# Allegro board IMC-IO_A-IN_A2.brd (continued)
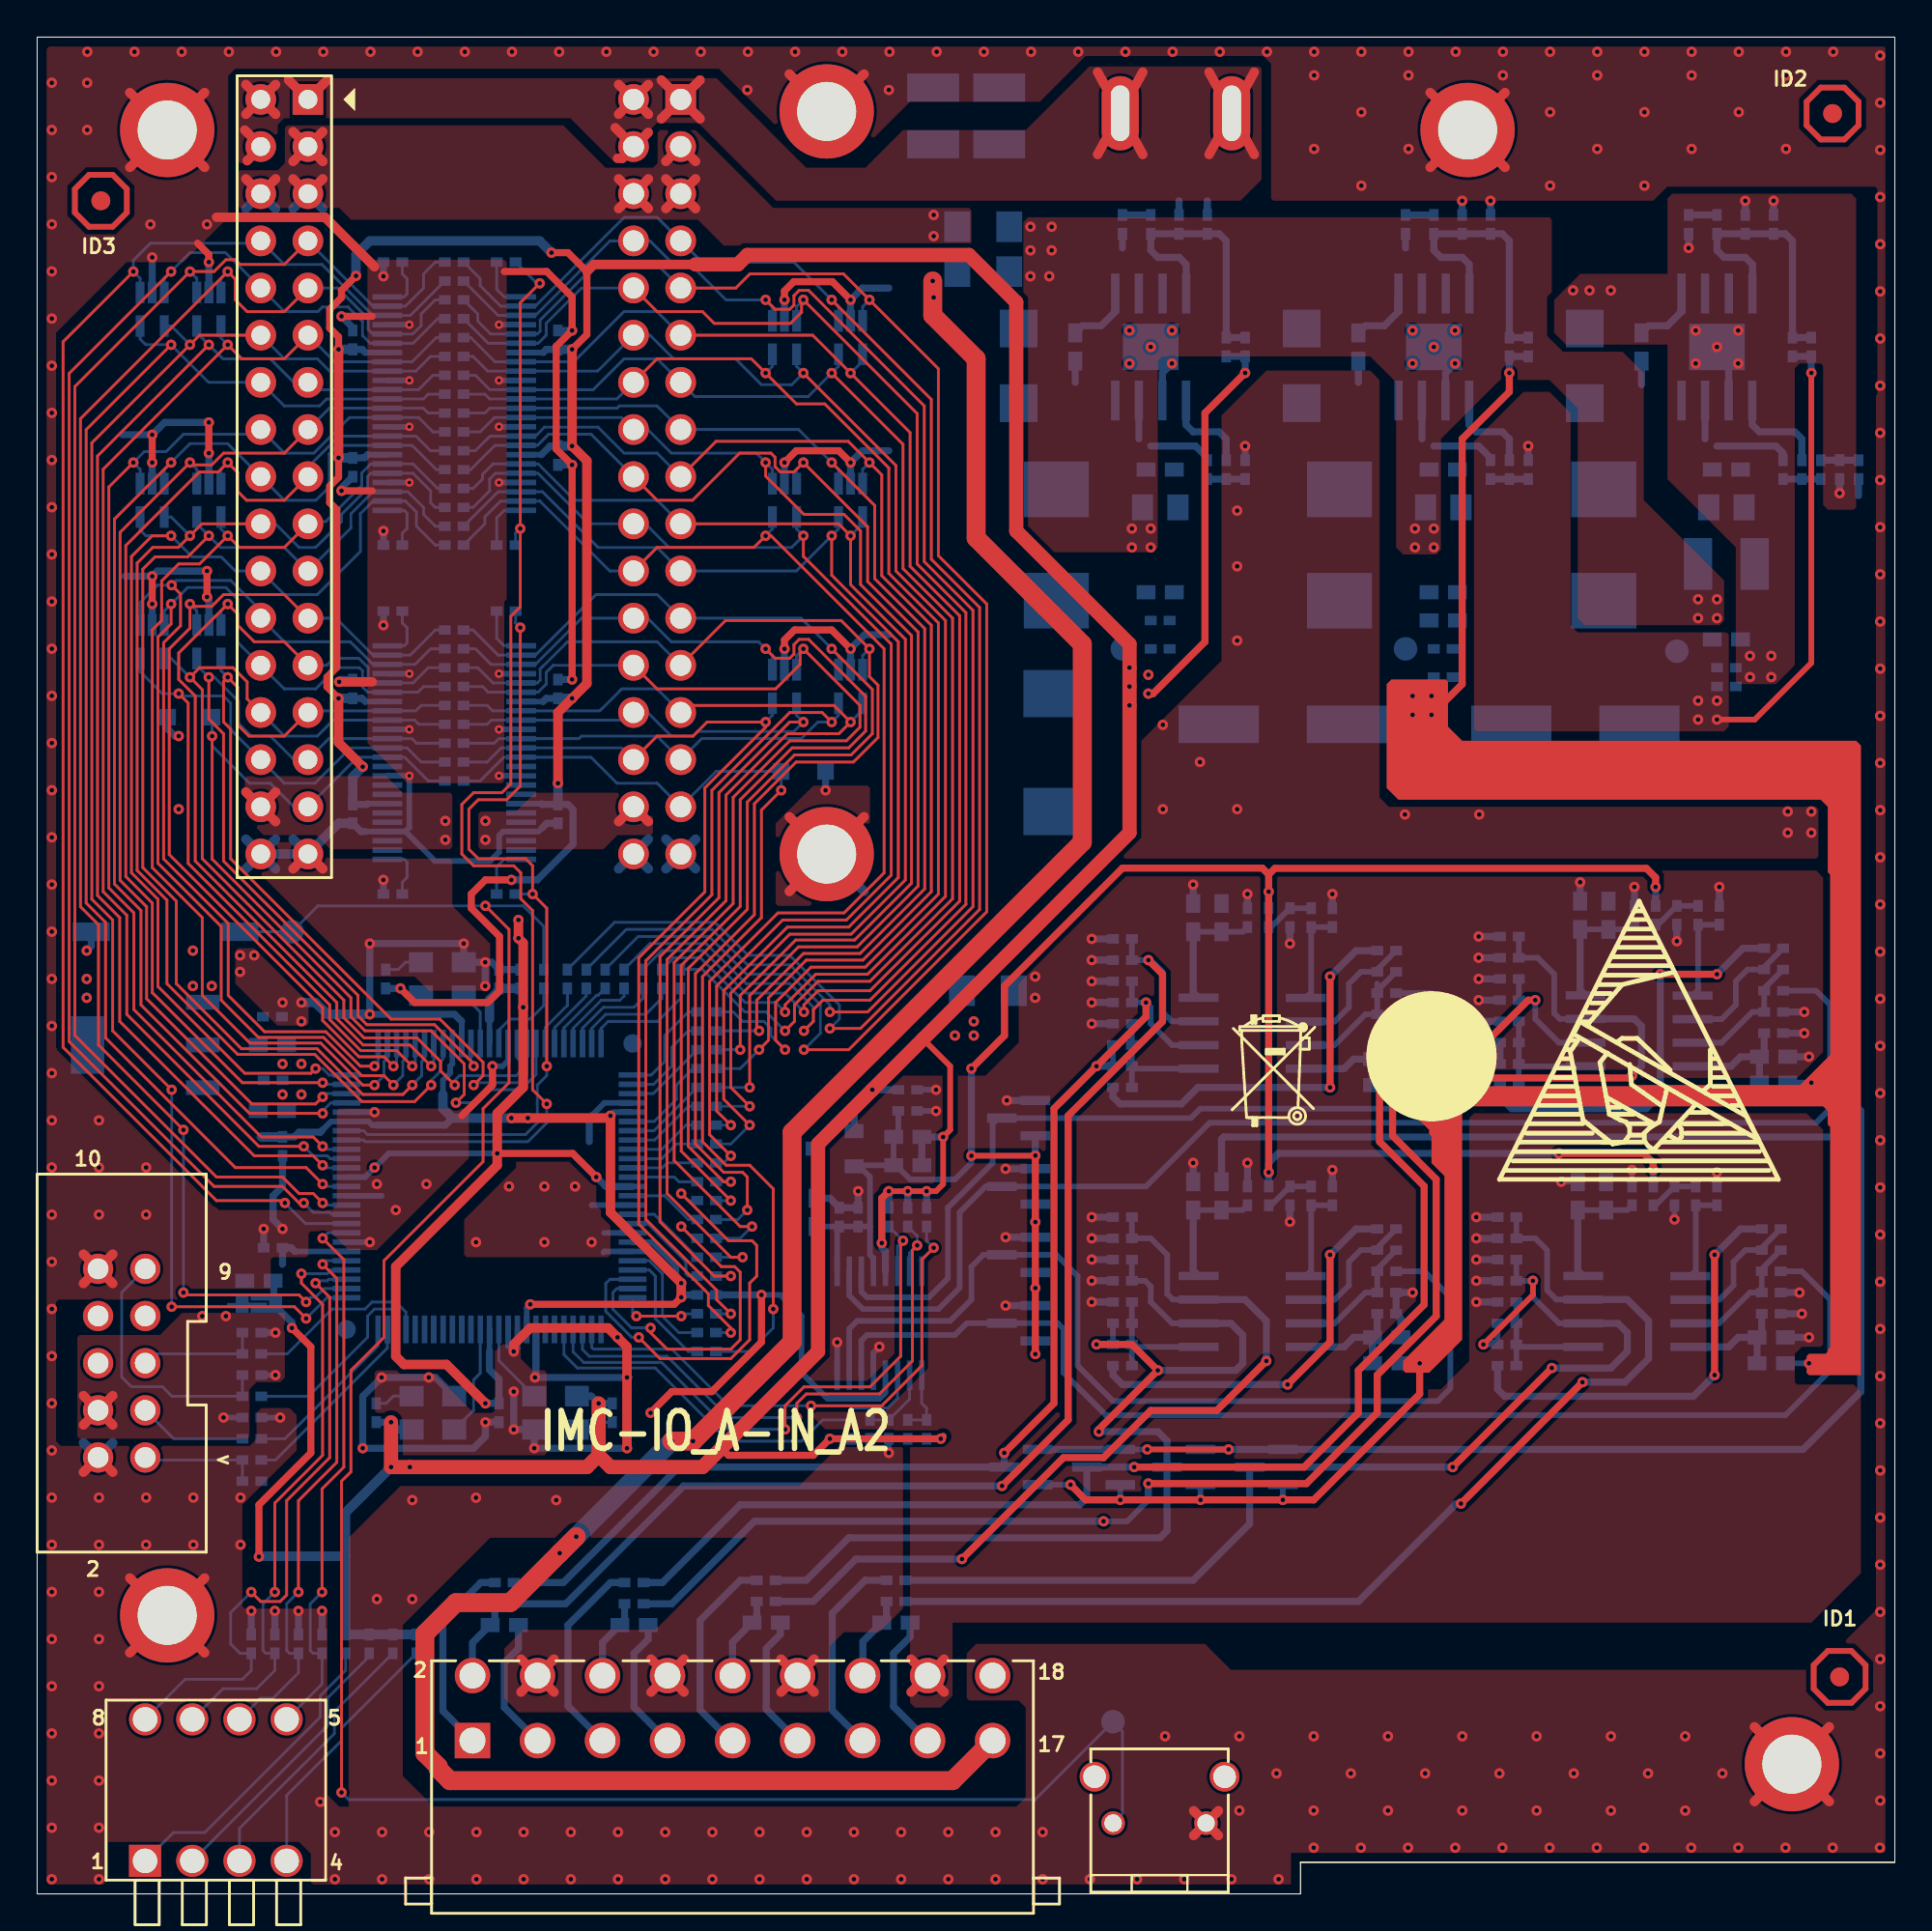
[diagram p0: board, top side]
## Nets (continued)
N12581306: R137.2 U8.48(1NOE)
N12649795: P1.82(IO_2_82) R12.1
N12658556: CON1.3 R267.2

Pads without a net: CON1 6 7 8; NOREF#8 1; NOREF#9 1; NOREF#12 1; NOREF#16 1; NOREF#17 1; NOREF#18 1; P1 1 6 7 15 16 17 18 19 20 21; RST1 3 4; U1 2 3; U8 14 16 17 19 20 22 23 26 27 29 30 32 33 35; U22 2 3; U24 2 3

## Via types
v1: diameter 0.559, hole 0.254, TOP to BOTTOM, 696 vias
v2: diameter 0.457, hole 0.203, TOP to BOTTOM, 14 vias

## Routing (per net, layer and track width the routed paths; a pad name or vN(x,y) marks a point on that pad's centre or on a via; arc(x,y) is an arc through that point)
AGND: length 73.9
  TOP w0.508: 47.04,10.87 47.93,11.75 ; 47.93,11.75 48.82,12.64 ; 47.93,11.75 47.04,12.64 ; 47.93,11.75 48.82,10.87
  BOTTOM w0.305: U26.5 45.01,29.14 v1(45.34,29.46) ; C88.1 v1(48.39,43.31) ; C89.2 v1(48.39,42.16) ; C120.2 v1(82.04,38.35) ; R263.2 v1(90.42,38.86) ; C121.2 v1(85.85,38.99) ; U26.8 v1(43.06,29.71) ; R262.2 v1(88.14,36.32)
  BOTTOM w0.381: R228.2 v1(77.6,49.28) ; C99.2 v1(56.77,50.29) ; v1(74.04,46.23) C100.2 73.41,45.97 C101.2 ; C114.2 v1(56.77,33.02) ; R221.2 v1(69.72,53.85) ; R251.2 v1(56.77,36.45) ; R256.2 v1(77.47,34.16) ; R249.2 v1(69.72,38.99) ; R265.2 v1(77.47,36.45) ; v1(44.2,37.85) C91.2 C90.2 42.67,37.47 C92.2 41.88,37.5 U25.3 ; C110.2 v1(95.38,45.09) ; C97.2 v1(56.77,46.86) ; D24.1 v1(52.2,42.73) ; C127.2 v1(95,31.24) ; C94.2 v1(65.15,53.85) ; C119.2 73.41,30.99 C118.2 C116.2 v1(74.04,32.38) ; R242.2 v1(56.77,34.16) ; R235.2 v1(90.55,54.23) ; R223.2 v1(56.77,51.44) ; C103.2 v1(85.98,54.23) ; C107.2 v1(95.12,47.5) ; R214.2 v1(56.77,49.15) ; D28.1 v1(52.13,35.37) ; R234.2 v1(88.27,51.31) ; R220.2 v1(67.44,51.18) ; C126.2 v1(77.47,35.31) ; C98.2 v1(74.04,47.37) ; C106.2 v1(77.6,46.99) ; C125.2 v1(94.87,32.38) ; C111.2 v1(62.23,39.37) ; D26.1 v1(52.13,39.05) ; C123.2 v1(77.47,33.02) ; C96.2 v1(56.77,48.01) ; C115.2 v1(56.77,31.88) ; C128.2 v1(95.38,29.97) ; C112.2 v1(65.15,39.37) ; R237.2 v1(77.6,51.56) ; C105.2 v1(77.6,48.13) ; C108.2 v1(77.6,50.42) ; C124.2 v1(77.47,31.88) ; C117.2 v1(56.77,35.31) ; R248.2 v1(67.44,36.2) ; C109.2 v1(95.12,46.35) ; D30.1 v1(52.13,31.68) ; C93.2 v1(62.23,54.36) ; C102.2 v1(83.06,54.48)
  vias: v1(53.72,49.4) v1(53.72,48.26)
GND: length 489.4
  TOP w0.305: v1(90.42,63.25) 92.46,63.25 95.5,66.29 v1(95.5,81.92)
  TOP w0.381: v1(24.51,44.58) 24.51,43.56 22.86,41.91 ; v1(40.23,85.85) 40.23,86.33 40.73,86.83 42.81,86.83 v1(43.79,85.85) ; v1(9.24,77.6) v1(9.24,79.25) ; 8.64,88.9 9.24,88.29 v1(9.24,87.88) ; v1(16.38,75.56) 18.03,75.56 ; v1(6.19,78.58) v1(6.19,77.09) ; v1(43.79,77.09) 43.15,77.72 40.86,77.72 v1(40.23,77.09) ; v1(40.23,67.06) 40.23,67.53 40.77,68.07 42.77,68.07 v1(43.79,67.06) ; 25.15,87.38 27.43,87.38 28.8,86.01 v1(28.8,84.2) 27.94,83.34 27.94,77.82 v1(28.8,76.96) v1(28.8,65.41) ; v1(38.99,32.26) 38.99,29.72 36.32,27.05 34.16,27.05 v1(33.02,25.91) ; v1(6.19,70.96) v1(6.19,69.47) ; v1(16.38,84.96) 18.03,84.96 ; v1(9.14,69.85) v1(9.14,71.25)
  TOP w0.508: H6.1 44.51,58.01 ; H6.1 40.49,58.01 ; H6.1 40.49,53.99 ; 62.25,3.14 RST1.2 ; RST1.2 62.25,4.48 ; RST1.2 63.59,4.48 ; RST1.2 63.59,3.14 ; 4.99,92.99 H1.1 ; H1.1 9.01,92.99 ; H1.1 4.99,97.01 ; H1.1 9.01,97.01 ; 92.44,9 H4.1 ; H4.1 96.47,4.97 ; H4.1 92.44,4.97 ; H4.1 96.47,9 ; 13.78,55.21 J3.33 15.38,55.21 ; 2.49,22.71 CON1.2 4.07,22.71 ; 2.49,32.87 CON1.10 ; CON1.10 4.07,34.45 ; CON1.10 2.49,34.45 ; CON1.10 4.07,32.87 ; J2.8 34.82,10.87 ; J2.8 33.04,12.64 ; J2.8 33.04,10.87 ; J2.8 34.82,12.64 ; 44.51,98.01 H5.1 40.49,98.01 ; H3.1 9.01,17.01 ; H3.1 4.99,17.01 ; H3.1 4.99,12.99 ; H3.1 9.01,12.99 ; 18.16,87.63 15.49,90.3 9.65,90.3 ; J2.4 27.82,12.64 ; J2.4 26.04,12.64 ; J2.4 27.82,10.87 ; J2.4 26.04,10.87 ; 40.04,12.64 J2.12 ; J2.12 40.04,10.87 ; J2.12 41.82,12.64 ; J2.12 41.82,10.87 ; 74.99,97.01 H2.1 ; H2.1 79.01,97.01 ; H2.1 79.01,92.99 ; H2.1 74.99,92.99 ; v1(16.26,65.28) 18.03,65.28 ; v1(25.65,29.21) 25.65,29.59 26.54,30.48 30.73,30.48 v1(31.24,29.97) 31.75,29.46 v1(31.75,27.81) v1(31.75,24)
  BOTTOM w0.305: U8.45 v2(20.04,65.72) ; P1.79 30.54,42.6 29.84,41.91 ; P1.32 v1(17.91,35.1) ; v1(24.51,44.58) 25.05,44.58 25.35,44.88 P1.65 ; P1.10 25.85,29.41 v1(25.65,29.21) 25.35,29.51 P1.11 ; v1(38.99,32.26) 40.01,32.26 41.15,31.11 41.15,28.07 42.55,26.67 45.34,26.67 45.66,27 U26.4 ; 18.54,37.59 18.53,37.6 P1.37 ; U8.4 v2(24.86,65.72) ; 17.65,57.22 U8.28 19.82,57.22 ; 29.84,37.08 29.86,37.1 P1.90 ; 19.82,57.22 21.41,55.63 24.38,55.63 24.87,56.11 24.87,57 25.09,57.22 U8.21 26.99,57.22 27.18,57.4 ; 19.82,57.22 20.04,57.43 v2(20.04,60.22) U8.34 ; U8.15 v2(24.86,60.22) ; U7.4 v2(24.86,84.51) ; 22.85,46.99 P1.60 ; U7.10 v2(24.86,81.51) ; U7.39 v2(20.04,81.51) ; v1(45.85,23.75) R208.1 R207.1 ; U7.45 v2(20.04,84.51) ; 12.06,25.65 v1(13.08,25.65) ; U7.34 v2(20.04,79.01) ; v1(18.16,42.1) P1.46 ; U7.21 v2(24.86,76.01) ; U7.15 v2(24.86,79.01) ; 30.48,34.54 30.54,34.6 P1.95 ; U7.28 v2(20.04,76.01) ; U8.39 v2(20.04,62.72) ; U8.10 v2(24.86,62.72) ; P1.93 30.52,35.6
  BOTTOM w0.381: C29.2 16.38,65.41 v1(16.26,65.28) ; v1(9.24,77.6) U13.2 ; 27.18,57.4 27.43,57.66 C25.2 ; v1(13.21,35.81) 12.7,36.32 12.7,37.59 13.21,38.1 C17.2 ; R42.2 v1(15.33,15.24) ; U22.6 75.81,81.91 v1(76.33,82.42) ; v1(2.67,50.8) 2.91,51.04 SW1.1 ; v1(18.64,54.61) 18.64,53.85 R139.1 ; U10.2 v1(6.19,88.14) ; C27.2 v1(28.8,65.41) ; U20.2 v1(40.23,67.06) ; C26.2 v1(28.8,76.96) ; v1(38.99,32.26) C16.2 ; v1(28.8,84.2) C22.2 ; 4.73,70.96 v1(6.19,70.96) 6.48,71.25 v1(9.14,71.25) ; R45.2 v1(11.52,15.24) ; v1(16.38,84.96) 16.99,84.36 C23.2 ; U18.2 v1(6.19,69.47) ; 29.72,40.51 29.72,41.78 29.84,41.91 ; 45.85,86.49 44.42,86.49 v1(43.79,85.85) U11.2 ; U15.2 v1(43.79,77.09) 44.42,77.72 45.85,77.72 ; R162.2 v1(78.23,91.19) ; U1.6 60.57,81.91 v1(61.09,82.42) ; R43.2 v1(14.06,15.24) ; v1(95.5,81.92) R167.1 C76.1 ; 4.6,78.58 v1(6.19,78.58) 6.86,79.25 v1(9.24,79.25) ; P1.8 26.85,27.87 v1(26.8,27.81) v1(31.75,27.81) v1(31.75,24) v1(26.76,24) OSC1.2 v1(25.65,25.01) v1(25.65,27.05) ; 17.65,57.22 17.43,57.22 C28.2 ; v1(7.62,62.36) 7.41,62.36 7.03,62.74 D18.2 ; R134.1 v1(18.64,87.12) ; C18.2 v1(24.13,25.4) 24.13,24.64 23.5,24 v1(17.53,24) 17.53,26.8 v1(18.54,27.81) v1(21.08,27.81) 21.45,27.81 OSC2.2 ; R173.1 98.04,75.31 ; v1(24.12,50.18) OSC3.2 v1(22.96,51.18) v1(17.91,51.18) v1(17.91,47.37) 22.47,47.37 22.85,46.99 ; v1(24.12,50.18) 24.47,50.18 C20.2 C19.2 ; v1(24.12,50.18) v1(24.12,48.9) ; R163.2 73.66,88.65 ; v1(0.79,51.82) 0.79,51.82 ; C67.2 v1(76.71,91.19) ; R5.2 v1(65.02,77.98) ; U9.2 v1(9.24,87.88) ; C24.2 16.38,75.72 v1(16.38,75.56) ; R137.1 v1(18.64,68.32) ; C15.2 v1(12.19,35.81) ; U17.2 9.24,69.75 v1(9.14,69.85) ; U16.2 v1(40.23,77.09) ; R6.2 58.42,88.65 ; R44.2 v1(12.79,15.24) ; C8.2 61.47,91.19 ; 45.85,67.82 44.55,67.82 v1(43.79,67.06) U19.2 ; R141.1 v1(18.64,73.4) ; R4.2 62.99,91.19 ; D19.2 v1(42.44,59.44) ; U14.2 v1(6.19,77.09) ; U12.2 v1(40.23,85.85) ; R164.2 v1(80.26,77.98)
  BOTTOM w0.508: 44.51,98.01 H5.1 40.49,98.01 ; 33.84,56.81 J4.33 ; J4.33 35.44,56.81 ; J4.33 33.84,55.21 ; J4.33 35.44,55.21 ; 2.49,22.71 CON1.2 ; CON1.2 4.07,22.71 ; CON1.2 2.49,24.29 ; CON1.2 4.07,24.29 ; 62.25,3.14 RST1.2 ; RST1.2 63.59,4.48 ; RST1.2 62.25,4.48 ; RST1.2 63.59,3.14 ; J3.34 12.84,55.21 ; J3.34 12.84,56.81 ; J3.34 J3.33 ; J3.34 11.24,55.21 ; J3.34 11.24,56.81 ; 4.07,34.45 CON1.10 2.49,34.45 ; H1.1 9.01,92.99 ; H1.1 4.99,97.01 ; H1.1 4.99,92.99 ; H1.1 9.01,97.01 ; H3.1 9.01,17.01 ; H3.1 4.99,12.99 ; H3.1 9.01,12.99 ; H3.1 4.99,17.01 ; 13.78,56.81 J3.33 ; J3.33 16.23,57.66 C28.2 ; J3.33 15.38,55.21 ; J3.33 13.78,55.21 ; 74.99,92.99 H2.1 ; H2.1 79.01,92.99 ; H2.1 74.99,97.01 ; H2.1 79.01,97.01 ; v1(14.22,48.01) 14.99,48.01 15.62,47.37 v1(17.91,47.37) ; J4.34 32.9,56.81 ; J4.34 32.9,55.21 ; J4.34 31.3,55.21 ; 40.49,53.99 H6.1 ; H6.1 44.51,53.99 ; H6.1 44.51,58.01 ; H6.1 40.49,58.01 ; 92.44,4.97 H4.1 ; H4.1 96.47,4.97 ; H4.1 92.44,9 ; H4.1 96.47,9
  vias: v1(0.79,97.54) v1(0.79,95) v1(0.79,92.46) v1(0.79,89.92) v1(0.79,87.38) v1(0.79,84.84) v1(0.79,82.3) v1(0.79,79.76) v1(0.79,77.22) v1(0.79,74.68) v1(0.79,72.14) v1(0.79,69.6) v1(0.79,67.06) v1(0.79,64.52) v1(0.79,61.98) v1(0.79,59.44) v1(0.79,56.9) v1(0.79,54.36) v1(0.79,49.28) v1(0.79,46.74) v1(0.79,44.2) v1(0.79,41.66) v1(0.79,39.12) v1(0.79,36.58) v1(0.79,34.04) v1(0.79,31.5) v1(0.79,28.96) v1(0.79,26.42) v1(0.79,23.88) v1(0.79,21.34) v1(0.79,18.8) v1(0.79,16.26) v1(0.79,13.72) v1(0.79,11.18) v1(0.79,8.64) v1(0.79,6.1) v1(0.79,3.56) v1(0.79,0.79) v1(2.7,99.21) v1(2.69,97.54) v1(2.69,95) v1(2.67,49.28) v1(2.67,48.26) v1(3.33,41.66) v1(3.33,39.12) v1(3.33,36.58) v1(3.33,21.34) v1(3.33,18.8) v1(3.33,16.26) v1(3.33,13.72) v1(3.33,11.18) v1(3.33,8.64) v1(3.33,6.1) v1(3.33,3.56) v1(3.33,0.79) v1(5.24,99.21) v1(5.87,39.12) v1(5.87,36.58) v1(5.87,21.34) v1(5.87,18.8) v1(6.1,89.92) v1(7.62,58.42) v1(7.78,99.21) v1(8.38,50.8) v1(8.38,48.9) v1(8.41,21.34) v1(8.41,18.8) v1(9.14,89.92) v1(9.4,48.9) v1(10.32,99.21) v1(10.92,50.55) v1(10.92,49.66) v1(10.95,21.34) v1(10.95,18.8) v1(11.68,50.55) v1(12.86,99.21) v1(13.21,48.01) v1(13.21,44.7) v1(13.21,43.05) v1(14.22,46.99) v1(14.22,44.7) v1(14.22,43.05) v1(15.24,4.95) v1(15.4,99.21) v1(16.03,3.33) v1(16.03,0.79) v1(17.94,99.21) v1(18.29,38.23) v1(18.29,15.88) v1(18.57,3.33) v1(18.57,0.79) v1(19.3,36.83) v1(20.19,21.21) v1(20.19,15.88) v1(20.48,99.21) v1(20.95,38.23) v1(21.11,3.33) v1(21.11,0.79) v1(23.02,99.21) v1(23.62,35.1) v1(23.62,21.34) v1(23.65,3.33) v1(23.65,0.79) v1(25.4,38.1) v1(25.56,99.21) v1(26.19,3.33) v1(26.19,0.79) v1(27.3,38.1) v1(27.3,35.1) v1(27.94,21.21) v1(28.1,99.21) v1(28.73,3.33) v1(28.73,0.79) v1(28.96,38.1) v1(29.84,35.1) v1(30.64,99.21) v1(31.27,3.33) v1(31.27,0.79) v1(33.18,99.21) v1(33.81,3.33) v1(33.81,0.79) v1(35.72,99.21) v1(36.35,3.33) v1(36.35,0.79) v1(38.23,97.16) v1(38.26,99.21) v1(38.89,3.33) v1(38.89,0.79) v1(40.8,99.21) v1(41.43,3.33) v1(41.43,0.79) v1(43.34,99.21) v1(43.97,3.33) v1(43.97,0.79) v1(45.85,97.16) v1(45.88,99.21) v1(46.51,3.33) v1(46.51,0.79) v1(48.42,99.21) v1(49.05,3.33) v1(49.05,0.79) v1(49.4,46.23) v1(50.42,46.99) v1(50.42,46.23) v1(50.96,99.21) v1(51.59,3.33) v1(51.59,0.79) v1(53.5,99.21) v1(54.13,3.33) v1(54.13,0.79) v1(56.04,99.21) v1(56.67,0.79) v1(58.58,99.21) v1(58.8,84.2) v1(58.8,82.42) v1(59.21,0.79) v1(59.94,83.31) v1(60.6,62.96) v1(60.6,58.42) v1(60.72,8.49) v1(61.12,99.21) v1(61.09,84.2) v1(61.75,0.79) v1(62.59,60.96) v1(63.66,99.21) v1(64.29,0.79) v1(64.59,74.5) v1(64.59,71.5) v1(64.59,67.5) v1(64.59,58.42) v1(64.72,8.49) v1(64.72,4.49) v1(66.2,99.21) v1(66.72,6.49) v1(66.83,0.79) v1(68.74,99.21) v1(68.74,97.94) v1(68.74,93.98) v1(68.72,8.49) v1(68.72,4.49) v1(68.72,2.49) v1(70.72,6.49) v1(71.28,99.21) v1(71.28,95.96) v1(71.28,92) v1(71.26,2.49) v1(72.72,8.49) v1(72.72,4.49) v1(73.63,58.13) v1(73.82,99.21) v1(73.82,97.94) v1(73.82,93.98) v1(73.8,2.49) v1(74.04,84.2) v1(74.04,82.42) v1(74.72,6.49) v1(75.18,83.31) v1(76.33,84.2) v1(76.34,2.49) v1(76.36,99.21) v1(76.72,8.49) v1(76.72,4.49) v1(77.63,58.13) v1(78.72,6.49) v1(78.9,99.21) v1(78.9,97.94) v1(78.88,2.49) v1(80.72,8.49) v1(80.72,4.49) v1(81.44,99.21) v1(81.44,95.96) v1(81.44,92) v1(81.42,2.49) v1(82.72,6.49) v1(83.98,99.21) v1(83.98,97.94) v1(83.98,93.98) v1(83.96,2.49) v1(84.72,8.49) v1(84.72,4.49) v1(86.52,99.21) v1(86.52,95.96) v1(86.52,92) v1(86.5,2.49) v1(86.72,6.49) v1(88.72,8.49) v1(88.72,4.49) v1(89.04,2.49) v1(89.06,99.21) v1(89.06,97.94) v1(89.06,93.98) v1(89.41,64.26) v1(89.41,63.25) v1(90.42,64.26) v1(90.72,6.49) v1(91.6,99.21) v1(91.6,95.96) v1(91.58,2.49) v1(94.14,99.21) v1(94.14,97.94) v1(94.14,93.98) v1(94.12,2.49) v1(94.23,58.29) v1(94.23,57.15) v1(95.5,58.29) v1(95.5,57.15) v1(96.68,99.21) v1(96.66,2.49) v1(99.21,99.01) v1(99.21,96.47) v1(99.21,93.93) v1(99.21,91.39) v1(99.21,88.85) v1(99.21,86.31) v1(99.21,83.77) v1(99.21,81.23) v1(99.21,78.69) v1(99.21,76.15) v1(99.21,73.61) v1(99.21,71.07) v1(99.21,68.53) v1(99.21,65.99) v1(99.21,63.45) v1(99.21,60.91) v1(99.21,58.37) v1(99.21,55.83) v1(99.21,53.29) v1(99.21,50.75) v1(99.21,48.21) v1(99.21,45.67) v1(99.21,43.13) v1(99.21,40.59) v1(99.21,38.05) v1(99.21,35.51) v1(99.21,32.97) v1(99.21,30.43) v1(99.21,27.89) v1(99.21,25.35) v1(99.21,22.81) v1(99.21,20.27) v1(99.21,17.73) v1(99.21,15.19) v1(99.21,12.65) v1(99.21,10.11) v1(99.21,7.57) v1(99.21,5.03) v1(99.2,2.49)
GND_24V: length 82.2
  TOP w0.508: J3.2 12.84,95.85 ; J3.2 11.24,97.45 ; J3.2 12.84,97.45 ; J3.2 11.24,95.85 ; 32.89,94.87 32.13,94.11 J4.4 ; 31.3,95.85 32.1,96.65 ; 32.1,96.65 32.9,97.45 ; 32.1,96.65 32.9,95.85 ; 32.1,96.65 31.3,97.45 ; 63.09,93.68 J5.2 ; J5.2 65.52,93.68 ; J5.2 63.09,98.11 ; J5.2 65.52,98.11 ; J5.1 59.52,98.11 ; J5.1 59.52,93.68 ; J5.1 57.09,93.68 ; J5.1 57.09,98.11 ; 31.11,95.12 32.1,94.14 J4.4 ; 31.24,93.47 31.5,93.47 32.1,94.08 J4.4 ; 13.53,97.69 J3.1 15.62,97.69 ; 11.3,93.34 12.04,94.08 J3.4 12.04,94.14 11.18,95 ; 34.64,96.65 35.68,95.61 ; 34.64,96.65 35.68,97.69 ; 34.64,96.65 33.6,95.61 ; 34.64,96.65 33.6,97.69
  BOTTOM w0.508: 15.62,97.69 J3.1 13.53,97.69 ; 34.64,96.65 35.68,95.61 ; 34.64,96.65 33.6,95.61 ; 34.64,96.65 33.6,97.69 ; 34.64,96.65 35.68,97.69 ; 57.09,93.68 J5.1 ; J5.1 59.52,98.11 ; J5.1 57.09,98.11 ; J5.1 59.52,93.68 ; 11.24,95.85 J3.2 ; J3.2 12.84,97.45 ; J3.2 11.24,97.45 ; J3.2 12.84,95.85 ; J5.2 65.52,93.68 ; J5.2 65.52,98.11 ; J5.2 63.09,98.11 ; J5.2 63.09,93.68 ; 31.3,97.45 32.1,96.65 ; 32.1,96.65 32.9,95.85 ; 32.1,96.65 31.3,95.85 ; 32.1,96.65 32.9,97.45
VDD_1V8: length 59.3
  TOP w0.381: v1(24.77,39.88) 28.83,39.88 v1(30.1,38.61)
  TOP w0.508: v1(25.91,52.45) v1(25.91,51.47) 26.16,51.21 v1(26.16,47.75) 26.16,43.43 24.77,42.04 v1(24.77,39.88) 24.77,39.24 19.3,33.78 19.3,28.96 19.75,28.51 22.03,28.51 v1(24.13,26.42)
  BOTTOM w0.305: v1(24.77,39.88) 18.92,39.88 v1(18.16,39.12) 17.64,38.6 P1.39 ; 24.35,47.12 P1.63 ; 24.35,29.24 P1.13
  BOTTOM w0.381: P1.88 30.61,38.1 v1(30.1,38.61) ; v1(24.13,26.42) C18.1 24.86,27.72 24.35,28.23 24.35,29.24
  BOTTOM w0.508: 24.35,47.12 24.35,48.16 24.86,48.67 C20.1 C19.1 26.16,48.61 v1(26.16,47.75)
VDD_3V3: length 345.2
  TOP w0.305: 47.69,46.04 49.15,44.58 49.15,41.15 v1(48.77,40.77) 48.77,38.23 48.39,37.85 v1(47.88,37.85) v1(46.86,37.85) v1(45.85,37.85)
  TOP w0.381: v1(16.22,77.34) 16.22,76.29 15.75,75.82 15.75,74.93 16.13,74.55 16.13,66.06 15.6,65.53 15.6,65.01 v1(16.22,64.39) ; 48.77,24.64 v1(48.64,24.51) v1(42.67,24.51) 41.78,23.62 37.21,23.62 36.83,24 ; v1(45.47,35.05) 45.47,37.47 v1(45.85,37.85) 45.73,37.85 ; v1(59.82,64.64) 60.07,64.64 62.87,67.44 62.87,79.76 v1(65.02,81.92) ; v1(11.94,18.16) 11.94,20.95 14.73,23.75 14.73,29.46 v1(13.72,30.48) ; v1(19.56,48.77) 20.32,48.01 24.26,48.01 24.89,48.64 24.89,51.56 23.37,53.09 23.37,53.85 24.13,54.61 v1(25.53,54.61) ; v1(28.8,83.19) 29.59,83.98 29.59,87.38 28.57,88.39 v1(27.69,88.39) ; v1(17.17,87.14) 16.38,86.36 16.38,85.98 15.75,85.34 15.75,84.33 16.22,83.85 v1(16.22,83.19)
  TOP w0.508: v1(28.8,83.19) v1(28.8,77.98) 29.59,77.18 29.59,65.18 v1(28.8,64.39) 28.03,63.63 v1(28.03,59.82) ; 29.59,87.38 29.97,87.76 35.43,87.76 ; v1(16.22,77.34) v1(16.22,83.19) ; v1(16.22,64.39) 16.22,62.01 v1(17.53,60.71)
  TOP w0.762: 30.23,23.62 30.86,22.99 35.81,22.99 42.04,29.21 42.04,40.39 v1(44.96,43.31) 58.8,57.15 v1(58.8,64.01) v1(58.8,65.02) v1(58.8,66.04) 58.8,67.31 52.7,73.41 52.7,85.72 50.16,88.27 38.23,88.27 37.72,87.76 35.43,87.76 ; 30.23,23.62 v1(30.23,26.42) ; 30.23,23.62 29.59,22.99 v1(20.07,22.99) v1(19.05,22.99) v1(19.05,25.4)
  BOTTOM w0.305: 17.79,77.51 U7.31 ; R206.1 R203.1 v1(42.67,24.51) ; U8.18 27.15,58.72 ; U8.42 17.66,64.22 ; U7.18 27.15,77.51 ; U7.7 27.24,83.01 ; U7.42 17.66,83.01 ; U8.31 17.79,58.72 ; R205.2 v1(48.64,24.51) ; U8.7 27.24,64.22
  BOTTOM w0.381: U26.13 45.66,34.6 45.47,34.8 v1(45.47,35.05) ; C28.1 17.75,58.67 17.79,58.72 ; 27.15,58.72 27.19,58.67 C25.1 28.57,58.67 28.84,58.4 28.84,56.53 26.92,54.61 v1(25.53,54.61) ; 28.03,64.39 27.41,64.39 27.24,64.22 ; v1(48.77,40.77) FB2.1 FB1.1 ; 16.99,77.34 17.62,77.34 17.79,77.51 ; OSC3.4 19.94,48.38 19.56,48.76 v1(19.56,48.77) R38.2 ; R36.2 v1(30.23,26.42) 29.83,26.81 OSC1.4 ; C22.1 27.41,83.19 27.24,83.01 ; R201.1 v1(47.88,37.85) ; R202.1 v1(46.86,37.85) ; C26.1 27.61,77.98 27.15,77.51 ; U25.1 43.98,42.33 v1(44.96,43.31) C88.2 ; 16.99,64.39 17.49,64.39 17.66,64.22 ; v1(65.02,81.92) R1.1 C3.1 ; D22.1 12.74,32.98 SH2.1 13.72,30.77 v1(13.72,30.48) ; TP1.1 v1(58.8,66.04) ; C23.1 17.49,83.19 17.66,83.01 ; R37.2 v1(19.05,25.4) 19.05,25.39 19.43,25.01 OSC2.4 ; R204.1 v1(45.85,37.85)
  BOTTOM w0.508: v1(20.07,22.99) v1(19.05,22.99) 16.6,20.54 16.6,18.19 ; v1(16.22,77.34) 16.99,77.34 ; C23.1 v1(16.22,83.19) ; 28.03,64.39 v1(28.8,64.39) ; R41.1 R40.1 R39.1 R35.1 16.6,18.19 ; 16.6,18.19 11.96,18.19 v1(11.94,18.16) ; v1(17.17,87.14) 17.17,88.29 17.91,89.03 27.05,89.03 v1(27.69,88.39) ; 16.99,64.39 v1(16.22,64.39) ; C25.1 v1(28.03,59.82) ; v1(17.53,60.71) 16.99,60.17 C28.1 ; C26.1 v1(28.8,77.98) ; C22.1 v1(28.8,83.19)
  vias: v1(59.82,65.66)
